# Altium PCB Controller A20.PcbDoc (part 1 of 2)
Units mm, origin at the board's own origin, x right, y up, seen from the top; angles counter-clockwise.
Board outline 197 x 100 mm, 4 copper layers (Top Layer, L2 (GND), L3 (PWR), Bottom Layer), stack 1.445 mm thick; 205 components, 161 nets, 772 pads, 878 vias.
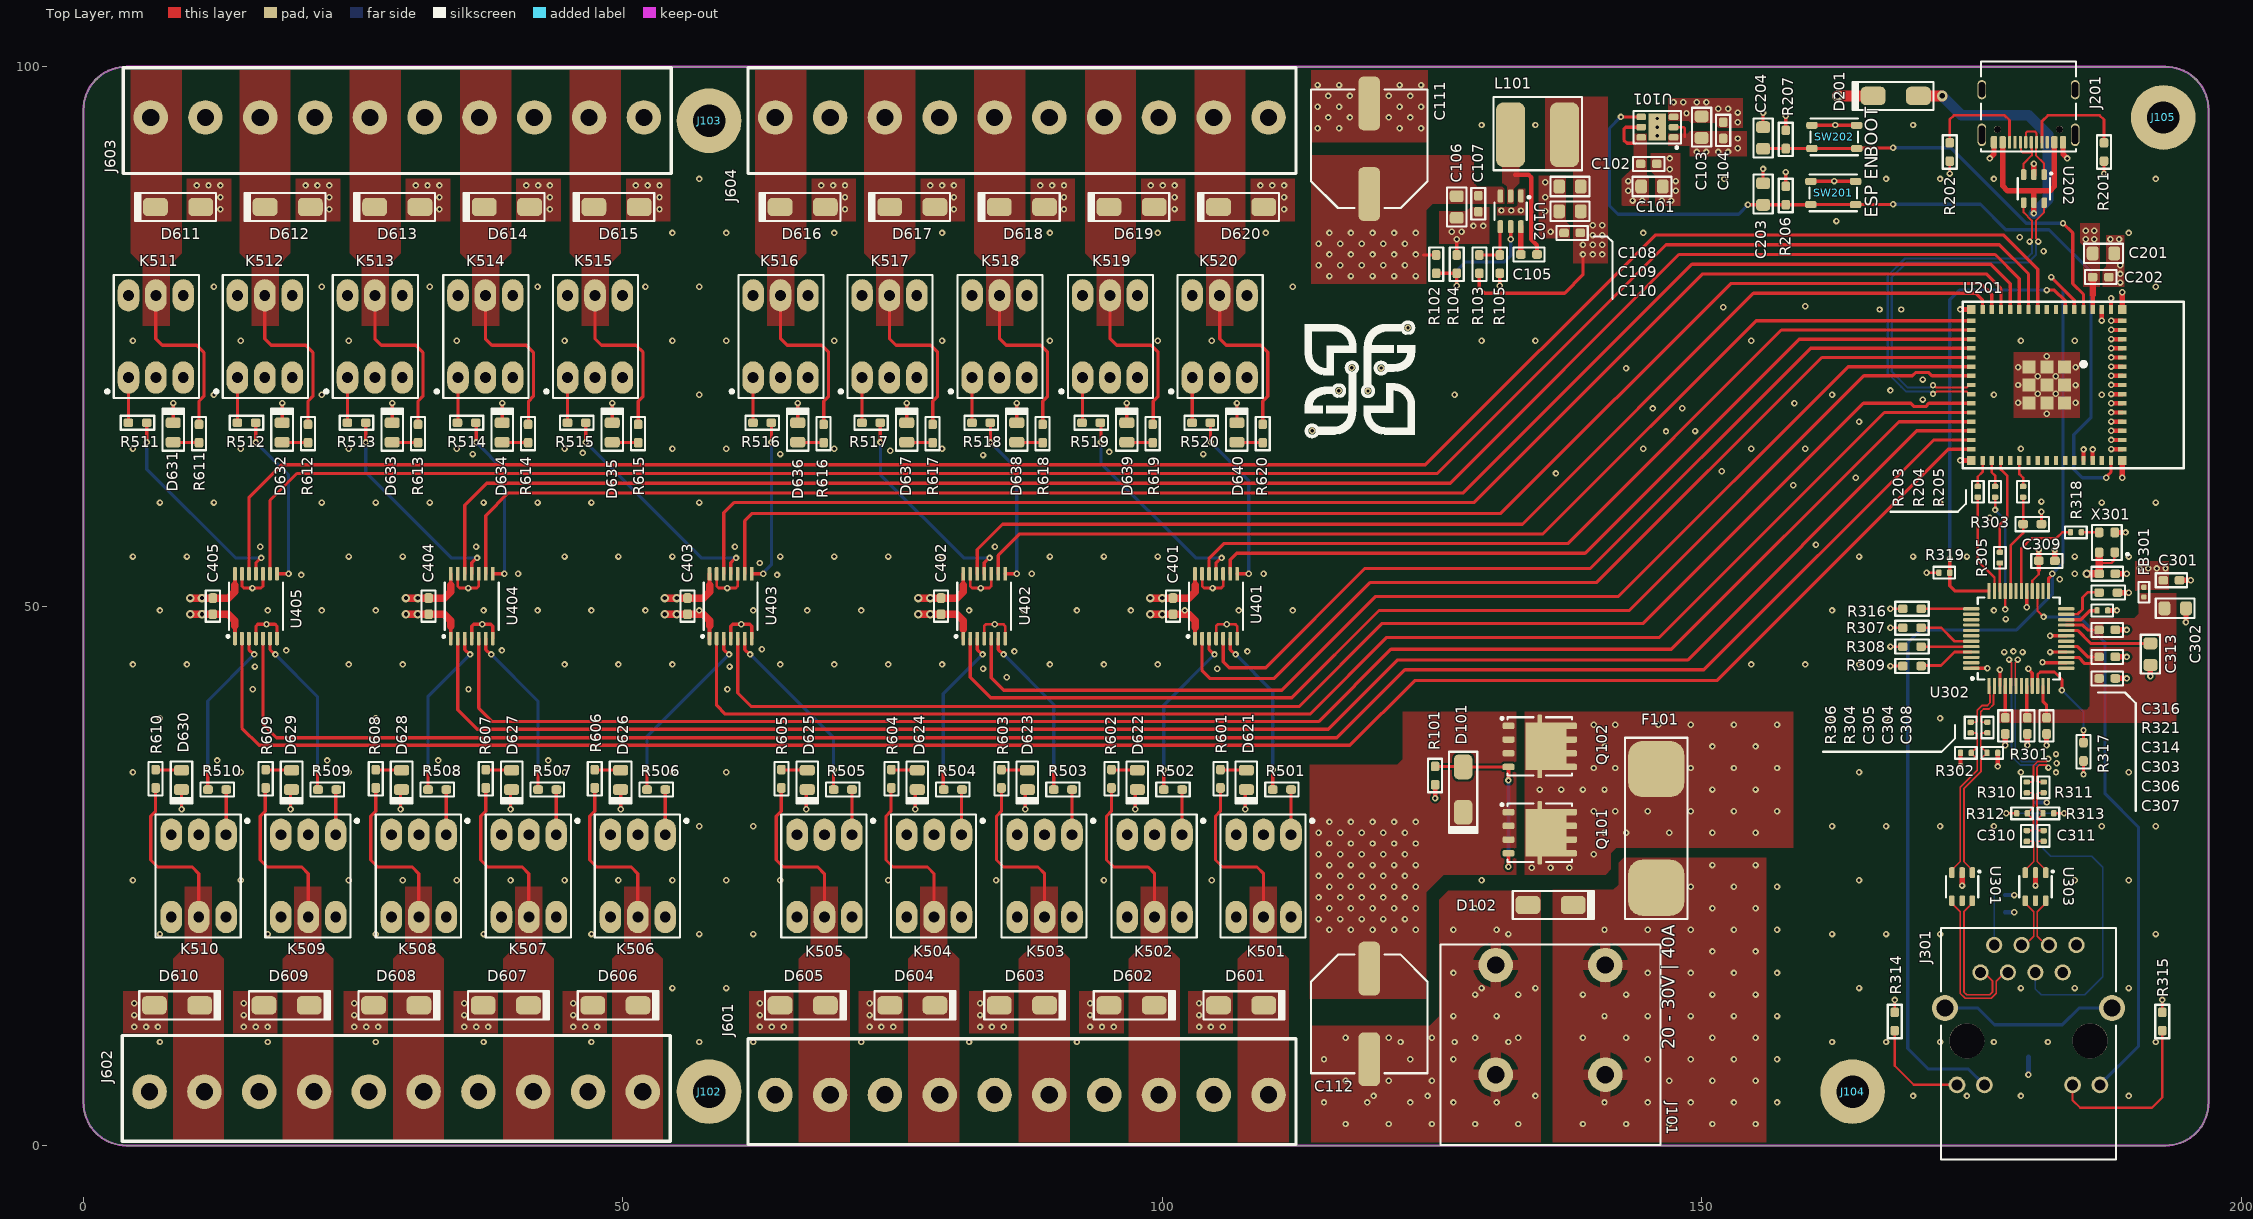
[diagram p0: Top Layer view]
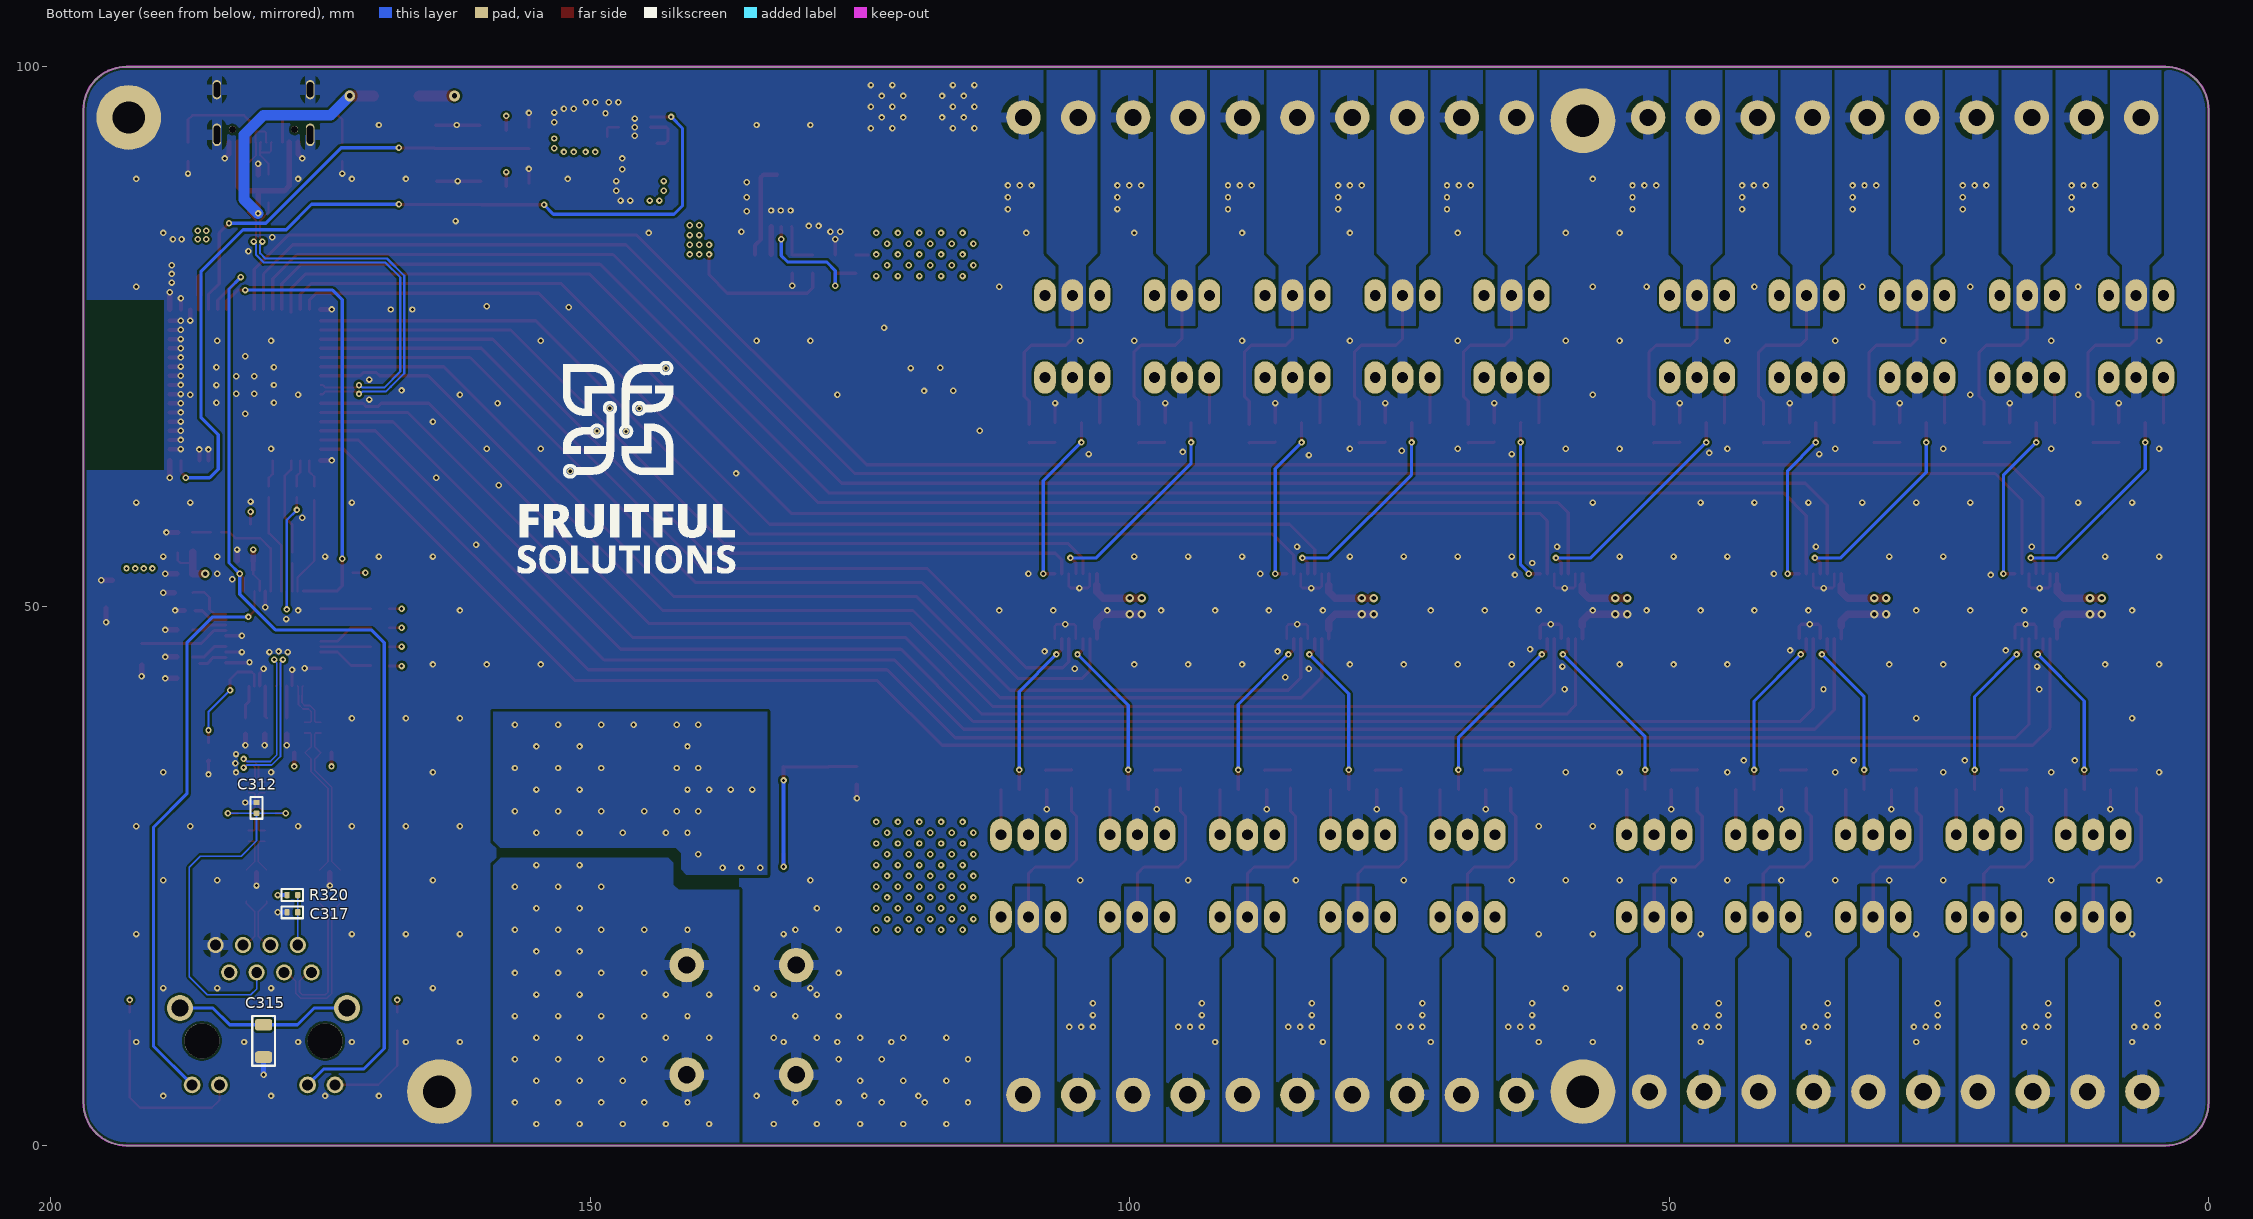
[diagram p1: Bottom Layer view, seen from below]
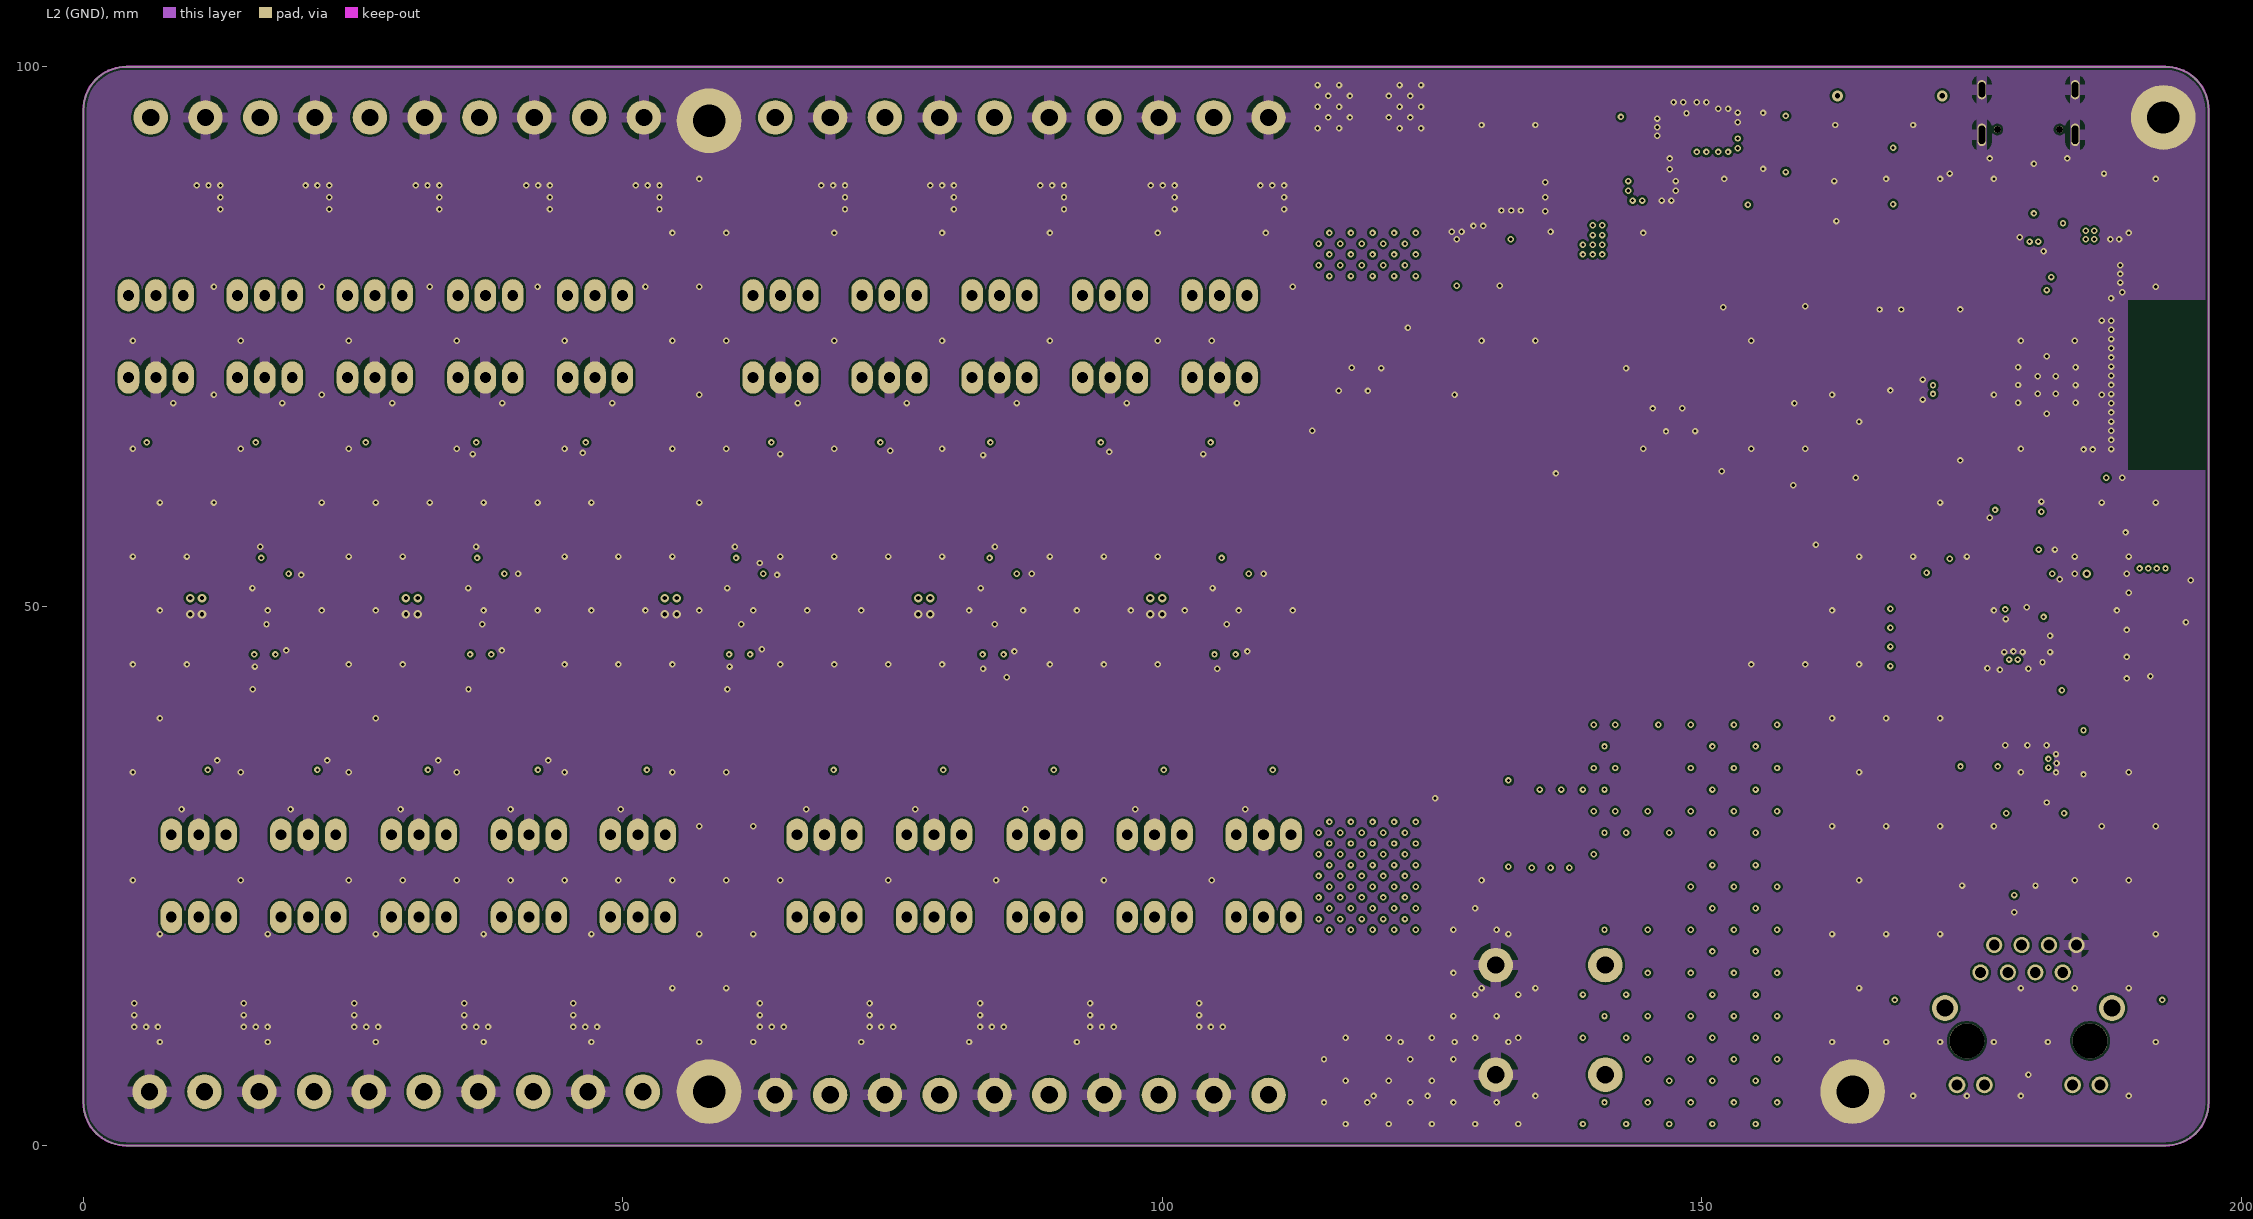
[diagram p2: L2 (GND)]
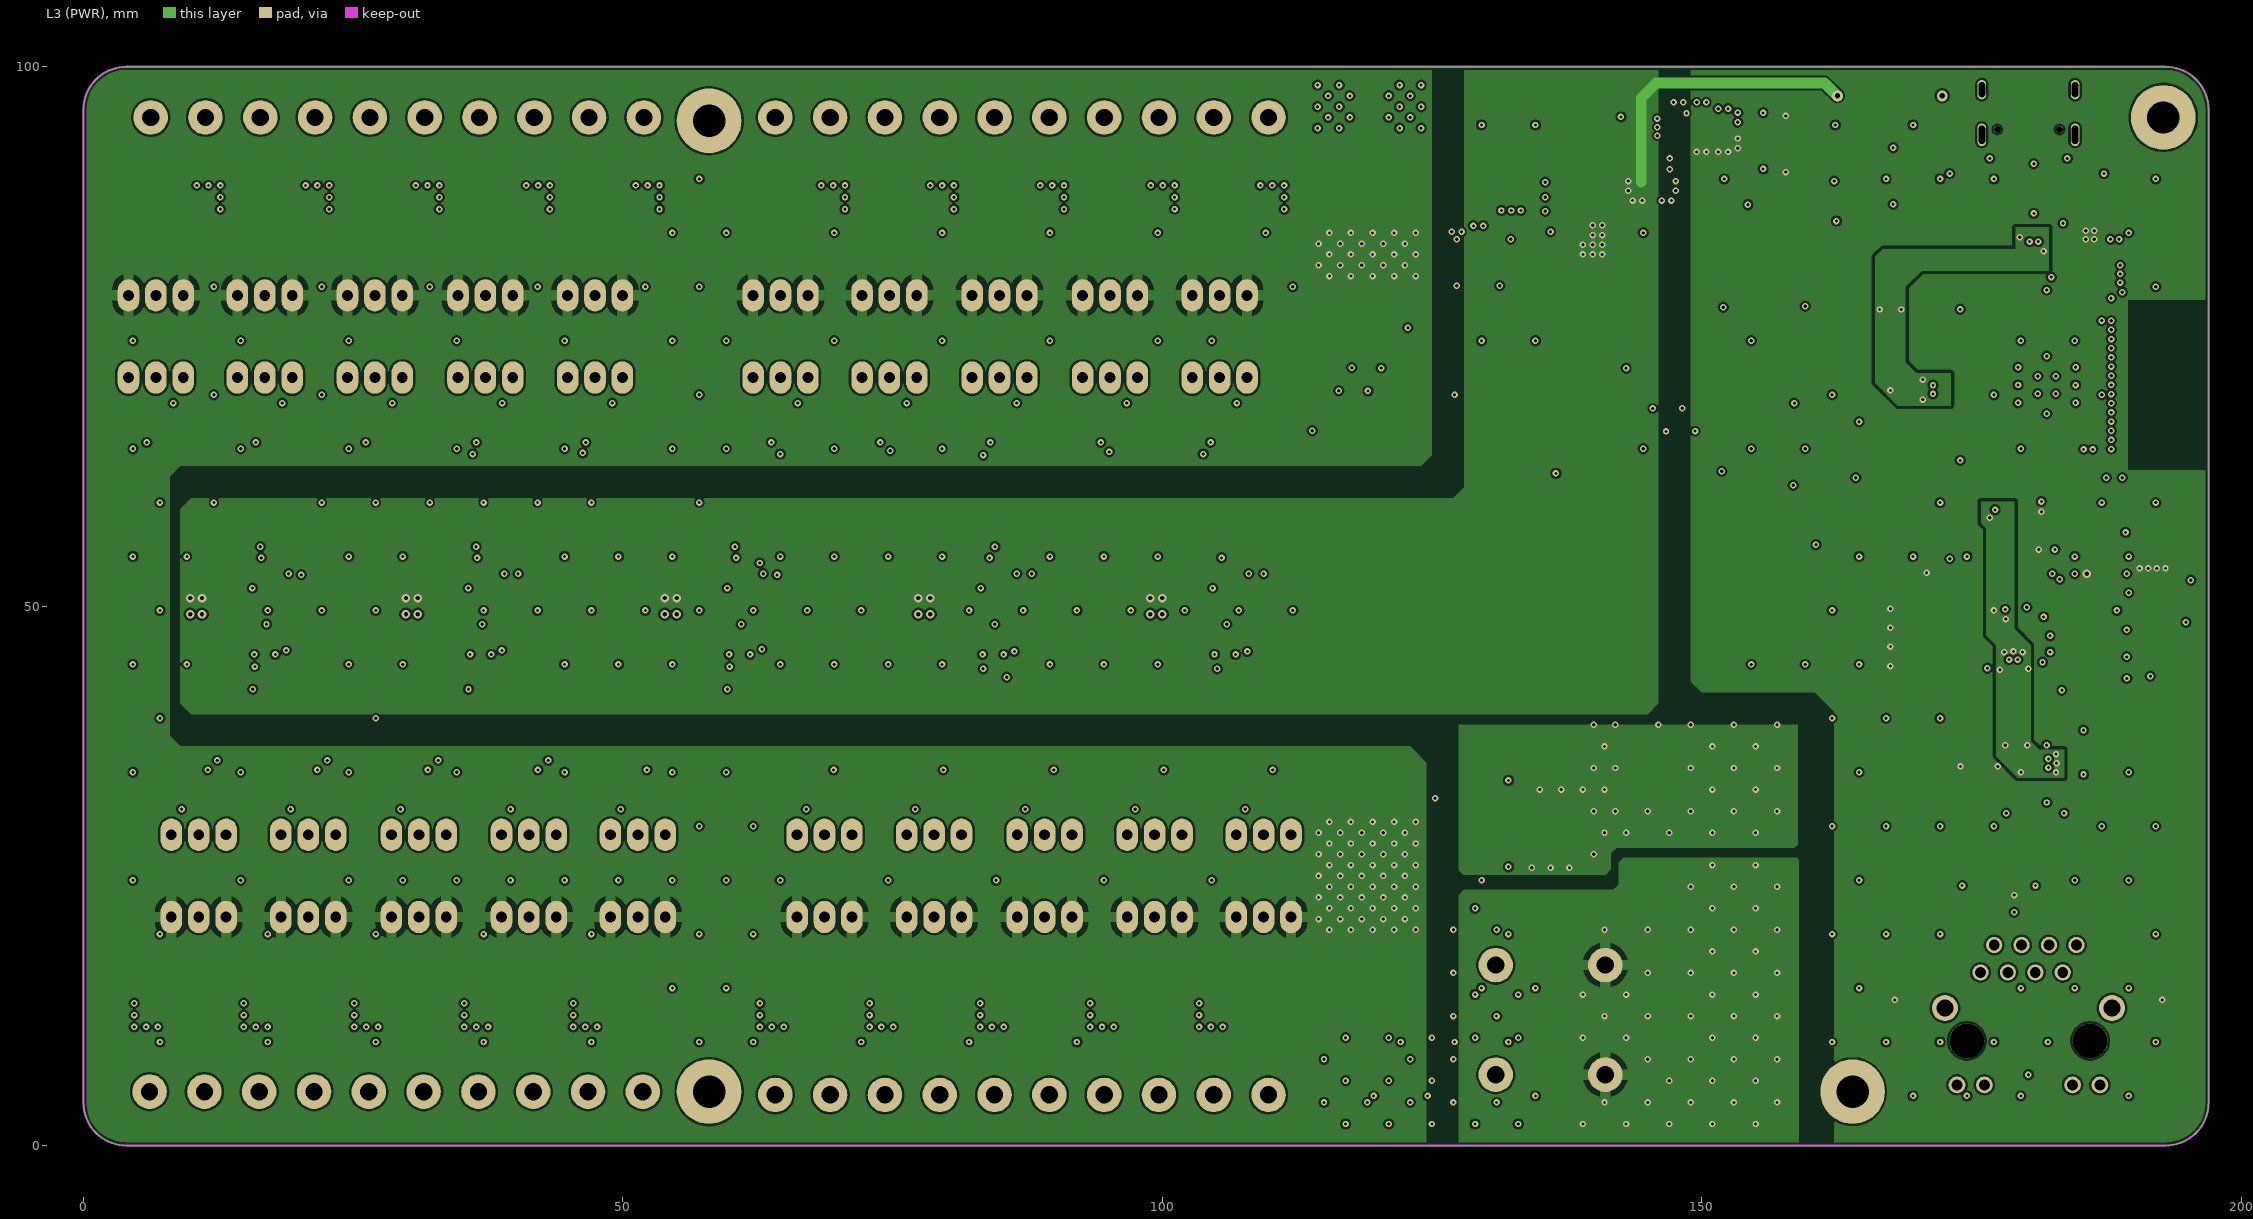
[diagram p3: L3 (PWR)]
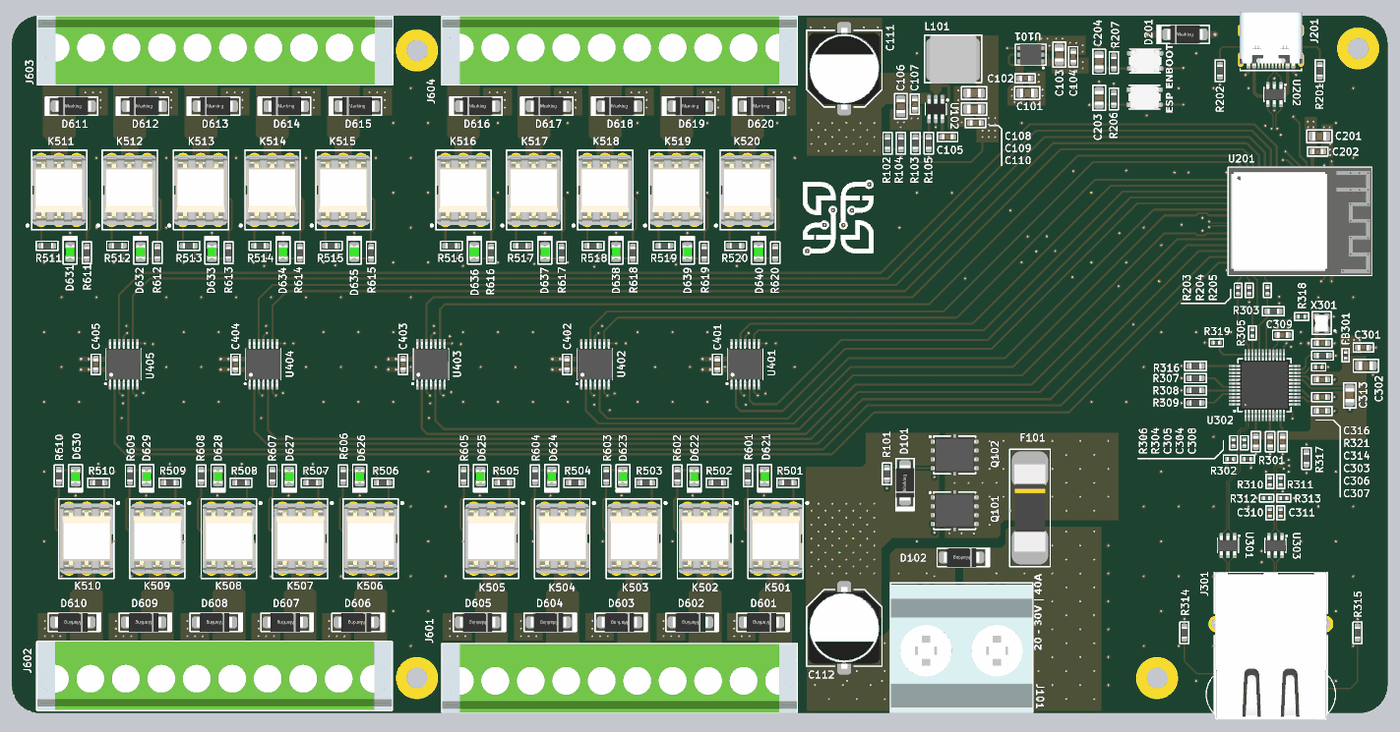
[diagram p5: 3D render of the assembled board from above, using the file's embedded part models]
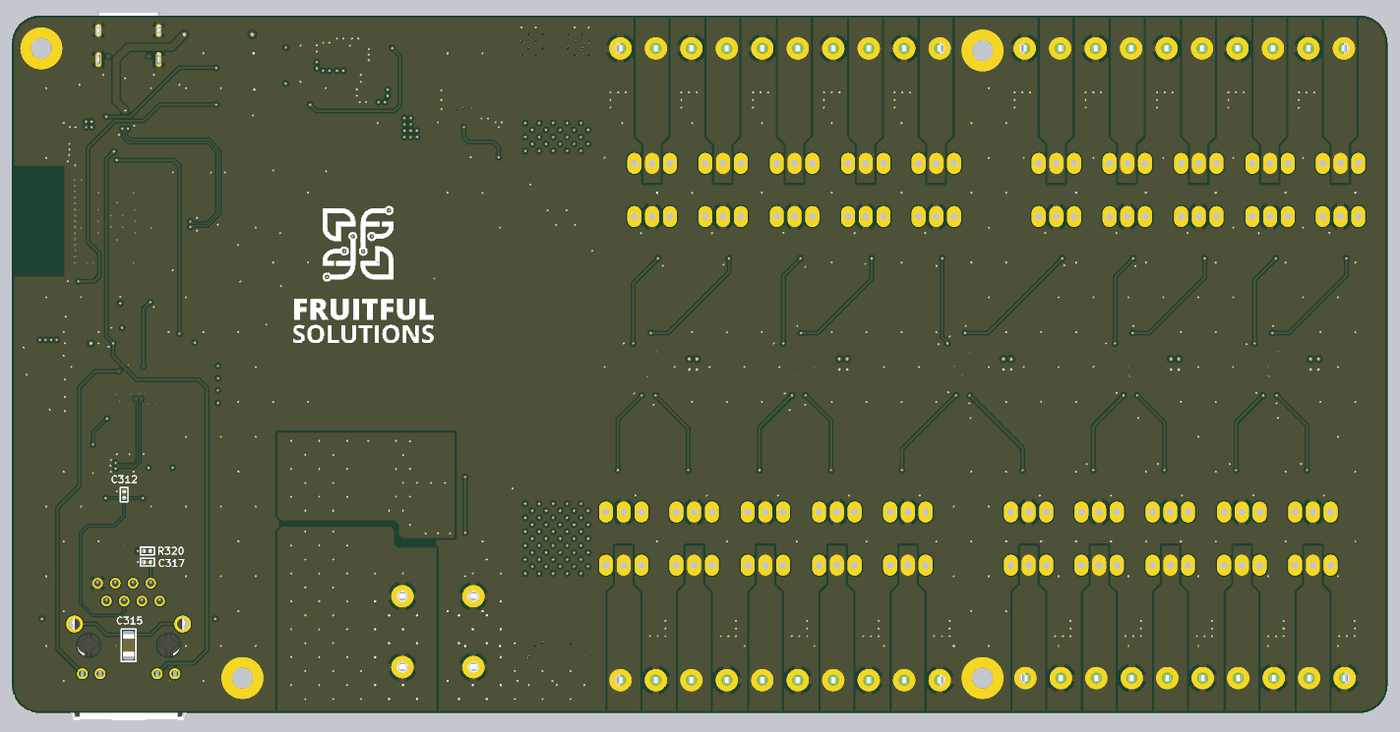
[diagram p6: 3D render of the assembled board from below, using the file's embedded part models]

## Layer stack, top to bottom
Top Solder: solder mask 0.0254, SM-001, Dk 3.8
Top Layer: signal copper 0.035
Dielectric 1: prepreg 0.084, PP-017, Dk 3.91
Dielectric 2: prepreg 0.0535, PP-006, Dk 3.91
L2 (GND): signal copper 0.07
Dielectric 3: core 0.96, Core-039, Dk 4.43
L3 (PWR): signal copper 0.07
Dielectric 4: prepreg 0.0535, PP-006, Dk 3.91
Dielectric 5: prepreg 0.084, PP-017, Dk 3.91
Bottom Layer: signal copper 0.035
Bottom Solder: solder mask 0.0254, SM-001, Dk 3.8

## Board outline
0,4 0,96 cw(c4,96) 4,100 193,100 cw(c193,96) 197,96 197,4 cw(c193,4) 193,0 4,0 cw(c4,4)

## Design rules (kind name [scope] priority, off if disabled: settings)
Clearance [All] p1: gap=0.2 ignorepadtopadclearanceinfootprint=FALSE except(0.15: SMDPad-SMDPad; 0.17: Arc-Arc Arc-Track Track-Track; 0.3: Fill-Fill Fill-Poly Fill-Region Poly-Poly Poly-Region Region-Region)
DiffPairsRouting DiffPairsRouting_USB [InDifferentialPairClass('USB90')] p1: maxlimit=0.254 minlimit=0.17 mostfreqgap=0.254 toplayer_maxgap=0.17 toplayer_prefgap=0.17 toplayer_minwidth=0.2 toplayer_maxwidth=0.2 toplayer_prefwidth=0.2 bottomlayer_maxgap=0.17 bottomlayer_prefgap=0.17 bottomlayer_minwidth=0.2 bottomlayer_maxwidth=0.2 bottomlayer_prefwidth=0.2 impedanceprofiledriven=TRUE impedanceprofileid={4C6522E2-B1D0-4F7C-A6F4-09763037143F} impedanceprofilevalue=90.000000 maxuncoupledlength=12.7
DiffPairsRouting DiffPairsRouting_ETH [InDifferentialPairClass('ETH100')] p2: maxlimit=0.254 minlimit=0.17 mostfreqgap=0.254 toplayer_maxgap=0.17 toplayer_prefgap=0.17 toplayer_minwidth=0.16 toplayer_maxwidth=0.16 toplayer_prefwidth=0.16 bottomlayer_maxgap=0.17 bottomlayer_prefgap=0.17 bottomlayer_minwidth=0.16 bottomlayer_maxwidth=0.16 bottomlayer_prefwidth=0.16 impedanceprofiledriven=TRUE impedanceprofileid={A6A31D76-8F50-4E22-A990-BCFDB580AA24} impedanceprofilevalue=100.000000 maxuncoupledlength=12.7
Height [All] p1: minheight=0 maxheight=30 prefheight=12.7
HoleSize [All] p1: absolutevalues=TRUE maxlimit=6 minlimit=0.3 maxpercent=80.000 minpercent=20.000
HoleToHoleClearance Via_HoleToHoleClearance [IsVia vs IsVia] p1: gap=0.25 allowstackedmicrovias=TRUE
HoleToHoleClearance Pad_HoleToHoleClearance [IsPad vs IsPad] p2: gap=0.45 allowstackedmicrovias=TRUE
MatchedLengths "Schematic Matched Net Lengths_ETH" [InDifferentialPairClass('ETH100')] p1: tolerance=25.4 checknetsindiffpair=TRUE checkdiffpairvsdiffpair=FALSE checkxsignals=FALSE checkothers=FALSE usedelayunits=TRUE delaytolerance=20.000000
MaxMinImpedance "Schematic Impedance Constraint_1" [InDifferentialPairClass('USB90')] p1: minimum=85.00 maximum=95.00
MaxMinImpedance "Schematic Impedance Constraint" [InNetClass('SPI')] p2: minimum=45.00 maximum=55.00
MinimumSolderMaskSliver [All] p1: minsoldermaskwidth=0.1
PolygonConnect PolygonConnect_MH [HasFootprint('MH D6MM H3MM')] p1: connectstyle=Direct reliefconductorwidth=0.254 reliefentries=4 polygonreliefangle="90 Angle" airgapwidth=0.254
PolygonConnect PolygonConnect_Direct [InNetClass('OUTPUTs')] p2: connectstyle=Direct reliefconductorwidth=0.254 reliefentries=4 polygonreliefangle="90 Angle" airgapwidth=0.254
PolygonConnect [All] p3: thpad.connectstyle=Relief thpad.reliefconductorwidth=1 thpad.reliefentries=4 thpad.polygonreliefangle="90 Angle" thpad.airgapwidth=0.5 smdpad.connectstyle=Direct smdpad.reliefconductorwidth=1 smdpad.reliefentries=4 smdpad.polygonreliefangle="90 Angle" smdpad.airgapwidth=0.5 via.connectstyle=Direct via.reliefconductorwidth=1 via.reliefentries=4 via.polygonreliefangle="90 Angle" via.airgapwidth=0.5
RoutingVias [All] p1: holewidth=0.3 width=0.6 viastyle="Through Hole" minholewidth=0.3 minwidth=0.6 maxholewidth=0.5 maxwidth=1
SilkToSilkClearance [All] p1: silktosilkclearance=0.2
SilkToSolderMaskClearance [IsPad] p1: minsilkscreentomaskgap=0.15 clearancetoexposedcopper=TRUE
SolderMaskExpansion [All] p1: expansion=0 istentingtop=FALSE
SupplyNets "Schematic Supply Nets_7" [InNet('+3V3')] p1: voltage=0.000
SupplyNets "Schematic Supply Nets_6" [InNet('GND')] p2: voltage=0.000
SupplyNets "Schematic Supply Nets_5" [InNet('+3V3A')] p3: voltage=0.000
SupplyNets "Schematic Supply Nets_4" [InNet('+5V')] p4: voltage=0.000
SupplyNets "Schematic Supply Nets_3" [InNet('VDC')] p5: voltage=0.000
SupplyNets "Schematic Supply Nets_2" [InNet('+24V')] p6: voltage=0.000
SupplyNets "Schematic Supply Nets_1" [InNet('VBUS')] p7: voltage=0.000
SupplyNets "Schematic Supply Nets" [InNet('VIN')] p8: voltage=0.000
Width Width_50SE [InNetClass('SPI')] p1: maxlimit=0.23 minlimit=0.15 preferedwidth=0.23 toplayer_minwidth=0.23 midlayer1_maxwidth=0.15 midlayer1_prefwidth=0.15 midlayer2_maxwidth=0.15 midlayer2_prefwidth=0.15 bottomlayer_minwidth=0.23 impedanceprofiledriven=TRUE impedanceprofileid={B6DBC33E-9195-4FF8-8C95-EC3BB4F726ED} impedanceprofilevalue=50.000000 minimp=50.000000 maximp=50.000000 favimp=50.000000
Width [All] p2: maxlimit=2 minlimit=0.15 preferedwidth=0.3
23 further rules are at their usual default settings.

## Classes and differential pairs
net class OUTPUTs: LOAD1 LOAD2 LOAD3 LOAD4 LOAD5 LOAD6 LOAD7 LOAD8 LOAD9 LOAD10 LOAD11 LOAD12 LOAD13 LOAD14 LOAD15 LOAD16 LOAD17 LOAD18 LOAD19 LOAD20
differential pair class USB90: ESP32_D USB_D
differential pair class ETH100: ETH_RX RJ_RX RJ_TX RX TX W_RX W_TX
net class SPI: ESP32_CLK ESP32_CS ESP32_MISO ESP32_MOSI W5500_CLK W5500_CS W5500_MISO W5500_MOSI
component class "(6) Fruitful A20_OUTPUT": D601 D602 D603 D604 D605 D606 D607 D608 D609 D610 D611 D612 D613 D614 D615 D616 D617 D618 D619 D620 D621 D622 D623 D624 D625 D626 D627 D628 D629 D630 D631 D632 D633 D634 D635 D636 D637 D638 D639 D640 J601 J602 J603 J604 R601 R602 R603 R604 R605 R606 R607 R608 R609 R610 R611 R612 R613 R614 R615 R616 R617 R618 R619 R620
component class "(5) Fruitful A20_SSRs": K501 K502 K503 K504 K505 K506 K507 K508 K509 K510 K511 K512 K513 K514 K515 K516 K517 K518 K519 K520 R501 R502 R503 R504 R505 R506 R507 R508 R509 R510 R511 R512 R513 R514 R515 R516 R517 R518 R519 R520
component class "(4) Fruitful A20_BUFFERs": C401 C402 C403 C404 C405 U401 U402 U403 U404 U405
component class "(3) Fruitful A20_Ethernet": C301 C302 C303 C304 C305 C306 C307 C308 C309 C310 C311 C312 C313 C314 C315 C316 C317 FB301 J301 R301 R302 R303 R304 R305 R306 R307 R308 R309 R310 R311 R312 R313 R314 R315 R316 R317 R318 R319 R320 R321 U301 U302 U303 X301
component class "(2) Fruitful A20_ESP32": C201 C202 C203 C204 D201 J201 R201 R202 R203 R204 R205 R206 R207 SW201 SW202 U201 U202
component class "(1) Fruitful A20_Power": C101 C102 C103 C104 C105 C106 C107 C108 C109 C110 C111 C112 D101 D102 F101 J101 J102 J103 J104 J105 L101 Q101 Q102 R101 R102 R103 R104 R105 U101 U102
differential pair W_TX: +W_TX_P -W_TX_N
differential pair W_RX: +W_RX_P -W_RX_N
differential pair USB_D: +USB_D_P -USB_D_N
differential pair TX: +TX_P -TX_N
differential pair RX: +RX_P -RX_N
differential pair RJ_TX: +RJ_TX_P -RJ_TX_N
differential pair RJ_RX: +RJ_RX_P -RJ_RX_N
differential pair ETH_RX: +ETH_RX_P -ETH_RX_N
differential pair ESP32_D: +ESP32_D_P -ESP32_D_N
